# Altium PCB PCB2.PcbDoc
Units mm, origin at the board's own origin, x right, y up, seen from the top; angles counter-clockwise.
Board outline 188.85 x 84.33 mm, 2 copper layers (Top Layer, Bottom Layer); 129 components, 100 nets, 372 pads, 0 vias.
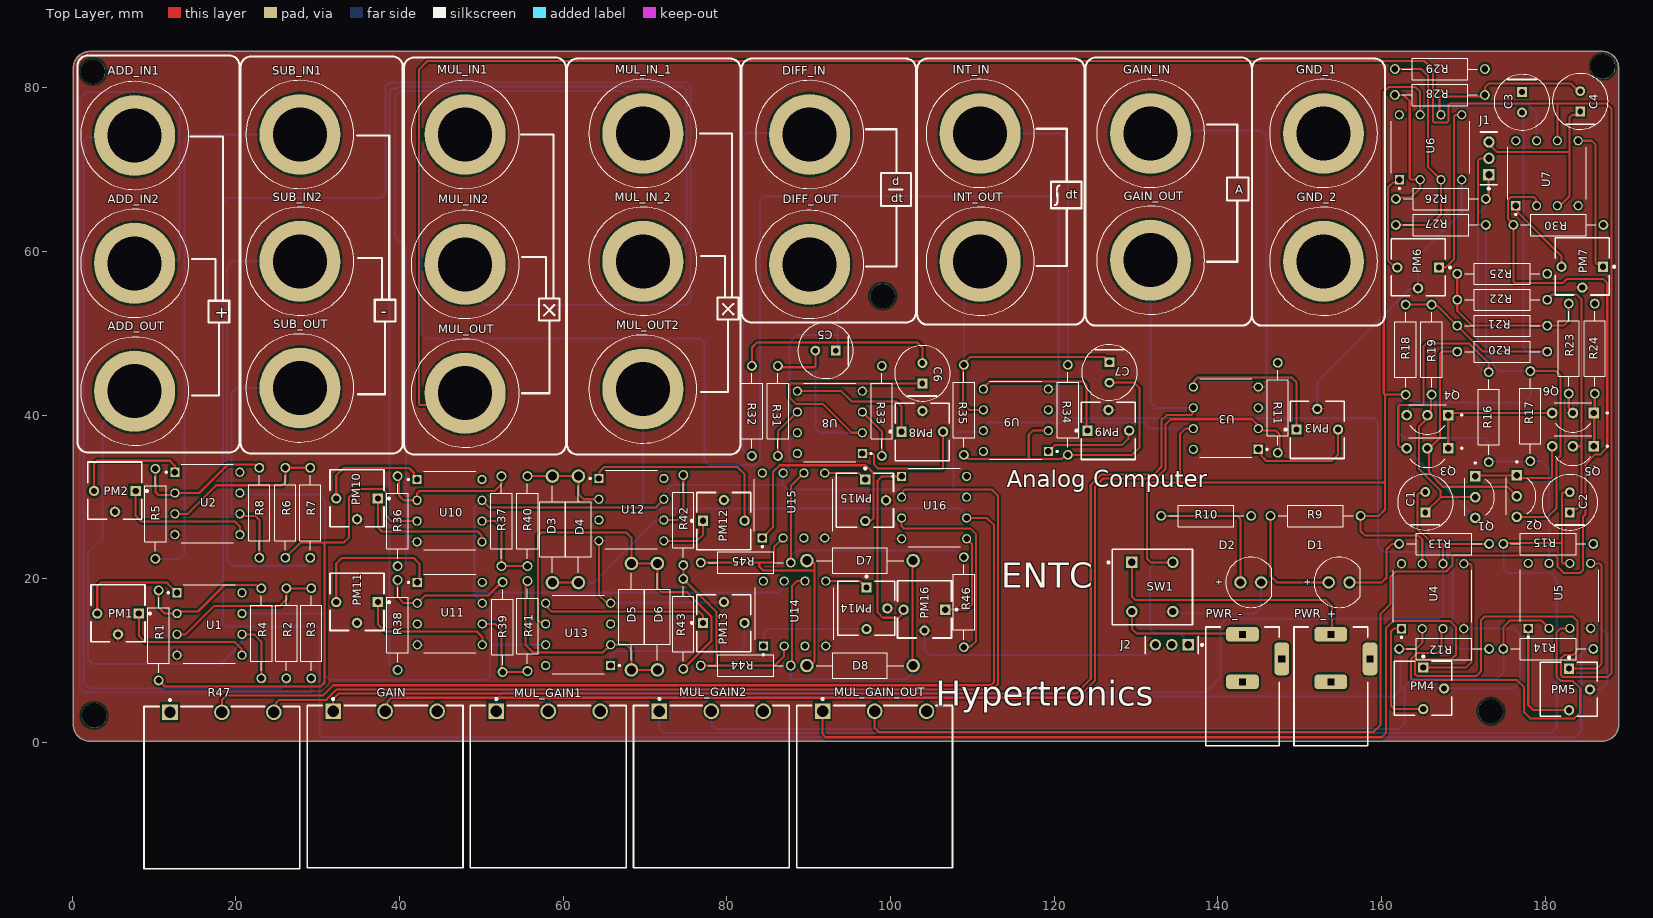
[diagram p0: Top Layer view]
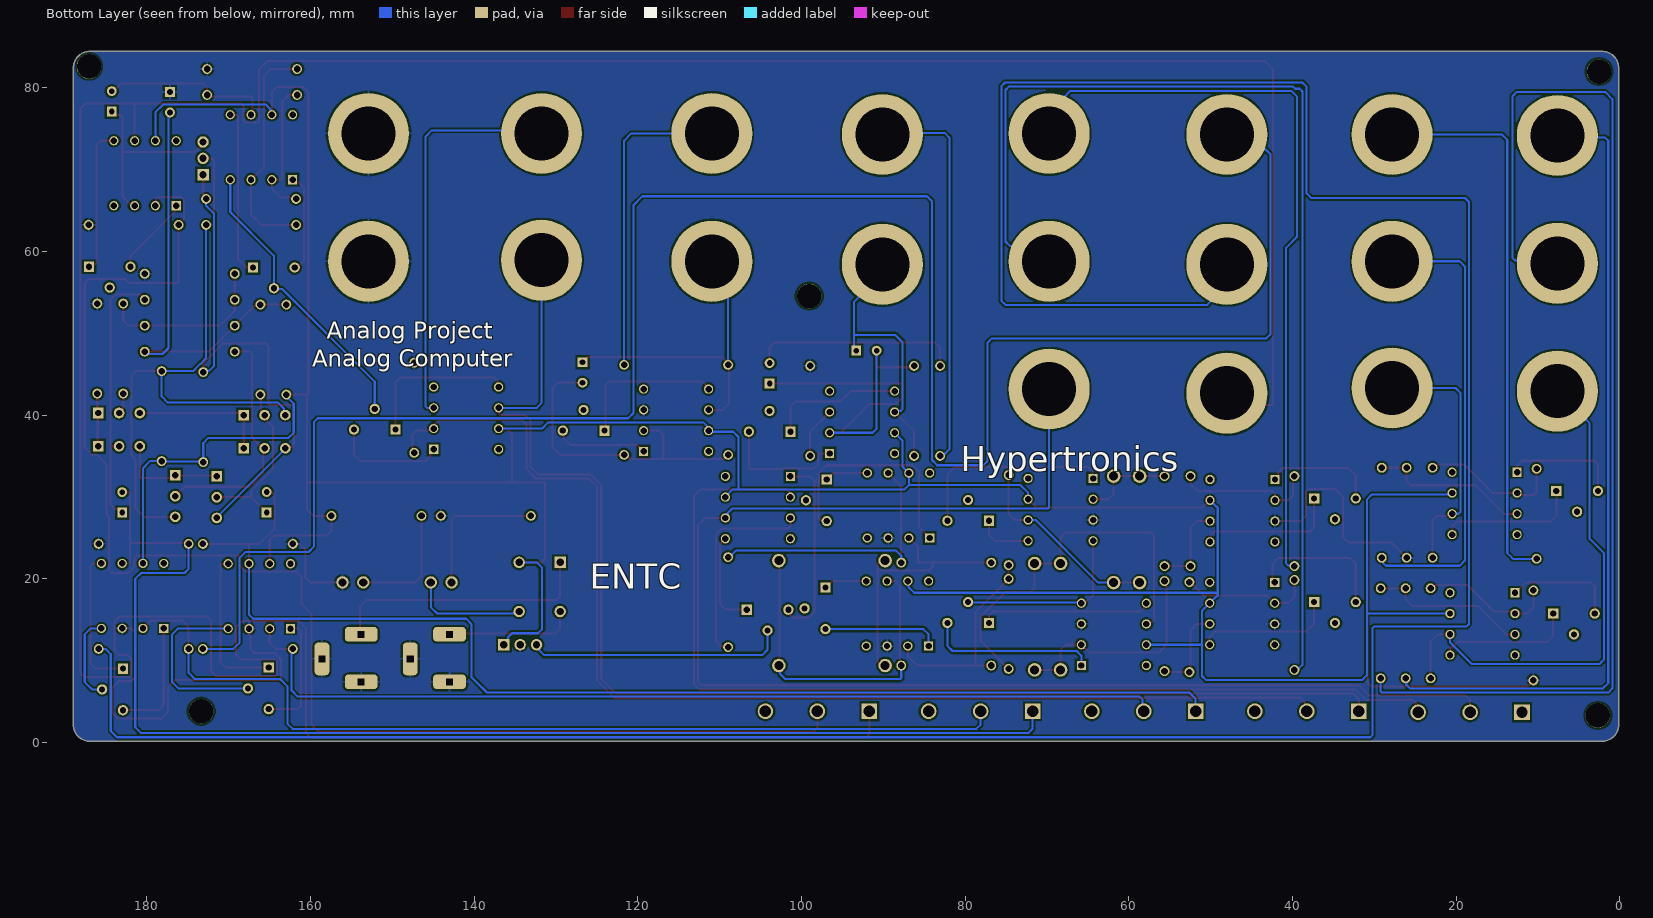
[diagram p1: Bottom Layer view, seen from below]
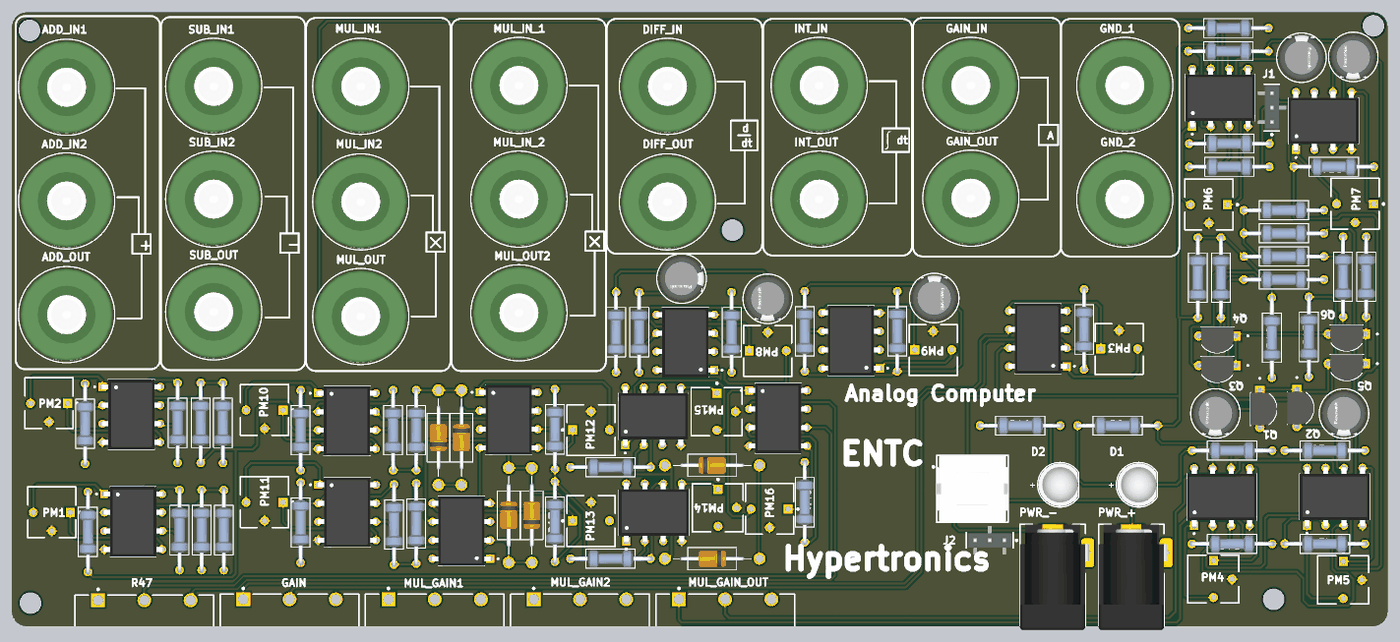
[diagram p2: 3D render of the assembled board from above, using the file's embedded part models]

## Layer stack, top to bottom
Top Solder: solder mask 0.0102, Solder Resist, Dk 3.5
Top Layer: signal copper 0.0356
Dielectric 1: dielectric 0.32, FR-4, Dk 4.8
Bottom Layer: signal copper 0.0356
Bottom Solder: solder mask 0.0102, Solder Resist, Dk 3.5

## Board outline
0.127,2.159 0.127,82.423 cw(c2.159,82.423) 2.159,84.455 186.944,84.455 cw(c186.944,82.423) 188.976,82.423 188.976,2.159 cw(c186.944,2.159) 186.944,0.127 2.159,0.127 cw(c2.159,2.159)

## Design rules (kind name [scope] priority, off if disabled: settings)
Clearance [All] p1: gap=0.254 ignorepadtopadclearanceinfootprint=FALSE ismatrix=TRUE
HoleSize MaxMinHoleSize_1 [All] p1: absolutevalues=TRUE maxlimit=7 minlimit=0.025 maxpercent=80.000 minpercent=20.000
HoleSize [All] p2: absolutevalues=TRUE maxlimit=2.54 minlimit=0.025 maxpercent=80.000 minpercent=20.000
PolygonConnect [All] p1: connectstyle=Relief reliefconductorwidth=0.254 reliefentries=4 polygonreliefangle="90 Angle" airgapwidth=0.254
RoutingVias [All] p1: holewidth=0.711 width=1.27 viastyle="Through Hole" minholewidth=0.711 minwidth=1.27 maxholewidth=0.711 maxwidth=1.27
SolderMaskExpansion [All] p1: expansion=0.102 istentingtop=FALSE
SupplyNets "Schematic Supply Nets_4" [InNet('GND')] p1: voltage=0.000
SupplyNets "Schematic Supply Nets_3" [InNet('Vin_10')] p2: voltage=0.000
SupplyNets "Schematic Supply Nets_2" [InNet('Vin_11')] p3: voltage=0.000
SupplyNets "Schematic Supply Nets_1" [InNet('-12')] p4: voltage=0.000
SupplyNets "Schematic Supply Nets" [InNet('+12')] p5: voltage=0.000
Width [All] p1: maxlimit=0.254 minlimit=0.254 preferedwidth=0.254
29 further rules are at their usual default settings.

## Classes and differential pairs
component class Substractor: GND_2 PM2 R5 R6 R7 R8 SUB_IN1 SUB_IN2 SUB_OUT U2
component class Power_IN: D1 D2 J2 PWR_+ PWR_- R9 R10 SW1
component class Multiply_2: D3 D4 D5 D6 D7 D8 MUL_IN_1 MUL_IN_2 MUL_OUT2 PM10 PM11 PM12 PM13 PM14 PM15 PM16 R36 R37 R38 R39 R40 R41 R42 R43 R44 R45 R46 R47 U10 U11 U12 U13 U14 U15 U16
component class multiplier: C1 C2 C3 C4 J1 MUL_GAIN1 MUL_GAIN2 MUL_GAIN_OUT MUL_IN1 MUL_IN2 MUL_OUT PM4 PM5 PM6 PM7 Q1 Q2 Q3 Q4 Q5 Q6 R12 R13 R14 R15 R16 R17 R18 R19 R20 R21 R22 R23 R24 R25 R26 R27 R28 R29 R30 U4 U5 U6 U7
component class Integrater: C7 INT_IN INT_OUT PM9 R34 R35 U9
component class Gain: GAIN GAIN_IN GAIN_OUT PM3 R11 U3
component class Differentiator: C5 C6 DIFF_IN DIFF_OUT PM8 R31 R32 R33 U8
component class Adder: ADD_IN1 ADD_IN2 ADD_OUT GND_1 PM1 R1 R2 R3 R4 U1

## Components (designator, comment, footprint, x,y, rotation, side; value= is the part's Value field where it differs from the comment)
ADD_IN1 "1581-5" FP-1581-5-MFG 7.62,74.168 r0 top
ADD_IN2 "1581-5" FP-1581-5-MFG 7.62,58.547 r0 top
ADD_OUT "1581-5" FP-1581-5-MFG 7.62,42.926 r0 top
C1 "1uF" FP-ECA-2CHG010I-MFG 165.354,29.357 r90 top
C2 "1uF" FP-ECA-2CHG010I-MFG 183.007,29.337 r90 top
C3 "1uF" FP-ECA-2CHG010I-MFG 177.165,78.232 r270 top
C4 "1uF" FP-ECA-2CHG010I-MFG 184.277,78.339 r90 top
C5 "1uF" FP-ECA-2CHG010I-MFG 92.055,47.879 r180 top
C6 "1uF" FP-ECA-2CHG010I-MFG 103.886,45.105 r90 top
C7 "1uF" FP-ECA-2CHG010I-MFG 126.746,45.212 r270 top
D1 "151051BS04000" WL-TMRC_D5.9H8.7 154.813,19.558 r0 top
D2 "151051BS04000" WL-TMRC_D5.9H8.7 144.018,19.558 r0 top
D3 "IN4148" PCBComponent_1 61.087,26.797 r90 top
D4 "IN4148" PCBComponent_1 59.436,25.273 r270 top
D5 "IN4148" PCBComponent_1 65.913,14.605 r270 top
D6 "IN4148" PCBComponent_1 73.914,16.129 r90 top
D7 "IN4148" PCBComponent_1 97.028,19.812 r0 top
D8 "IN4148" PCBComponent_1 95.504,11.811 r180 top
DIFF_IN "1581-5" FP-1581-5-MFG 90.116,74.295 r0 top
DIFF_OUT "1581-5" FP-1581-5-MFG 90.116,58.42 r0 top
GAIN "100K" BOUR-3852A-282-103AL-3_V 38.227,3.81 r0 top
GAIN_IN "1581-5" FP-1581-5-MFG 131.772,74.422 r0 top
GAIN_OUT "1581-5" FP-1581-5-MFG 131.772,58.928 r0 top
GND_1 "GND" FP-1581-5-MFG 152.908,74.422 r0 top
GND_2 "GND" FP-1581-5-MFG 152.908,58.801 r0 top
INT_IN "1581-5" FP-1581-5-MFG 110.944,74.422 r0 top
INT_OUT "1581-5" FP-1581-5-MFG 110.944,58.801 r0 top
J1 "TMM-103-03-T-S" FP-TMM-103-03-T-S-MFG 173.101,71.374 r90 top
J2 "TMM-103-03-T-S" FP-TMM-103-03-T-S-MFG 134.366,11.918 r180 top
MUL_GAIN1 "10K" BOUR-3852A-282-103AL-3_V 58.166,3.81 r0 top
MUL_GAIN2 "10K" BOUR-3852A-282-103AL-3_V 78.105,3.81 r0 top
MUL_GAIN_OUT "100K" BOUR-3852A-282-103AL-3_V 98.044,3.81 r0 top
MUL_IN1 "1581-5" FP-1581-5-MFG 48.006,74.295 r0 top
MUL_IN2 "1581-5" FP-1581-5-MFG 48.006,58.42 r0 top
MUL_IN_1 "1581-5" FP-1581-5-MFG 69.723,74.422 r0 top
MUL_IN_2 "1581-5" FP-1581-5-MFG 69.723,58.801 r0 top
MUL_OUT "1581-5" FP-1581-5-MFG 48.006,42.672 r0 top
MUL_OUT2 "1581-5" FP-1581-5-MFG 69.723,43.18 r0 top
PM1 "10k" BOUR-3362P 5.588,15.783 r180 top
PM2 "10k" BOUR-3362P 5.207,30.769 r180 top
PM3 "10k" BOUR-3362P 152.146,38.192 r0 top
PM4 "10k" BOUR-3362P 165.065,6.604 r270 top
PM5 "10k" BOUR-3362P 182.88,6.477 r270 top
PM6 "10k" BOUR-3362P 164.465,58.074 r180 top
PM7 "10k" BOUR-3362P 184.531,58.166 r180 top
PM8 "10k" BOUR-3362P 103.886,37.938 r0 top
PM9 "10k" BOUR-3362P 126.619,38.065 r0 top
PM10 "10k" BOUR-3362P 34.798,29.845 r180 top
PM11 "10k" BOUR-3362P 34.798,17.18 r180 top
PM12 "10k" BOUR-3362P 79.629,27.051 r0 top
PM13 "10k" BOUR-3362P 79.629,14.57 r0 top
PM14 "10k" BOUR-3362P 97.028,16.383 r270 top
PM15 "10k" BOUR-3362P 96.866,29.591 r270 top
PM16 "10k" BOUR-3362P 104.14,16.256 r180 top
PWR_+ "Component_2" 694106301002 153.797,6.858 r0 top
PWR_- "Component_2" 694106301002 143.002,6.858 r0 top
Q1 "2N3904" TO92254P460H750-3 171.45,29.972 r270 top
Q2 "2N3904" TO92254P460H750-3 176.53,30.099 r270 top
Q3 "2N3904" TO92254P460H750-3 165.608,35.941 r180 top
Q4 "2N3904" TO92254P460H750-3 165.608,40.005 r180 top
Q5 "2N3904" TO92254P460H750-3 183.388,36.195 r180 top
Q6 "2N3904" TO92254P460H750-3 183.388,40.259 r180 top
R1 "1K" RESAD1100W55L680D260 10.541,13.081 r90 top
R2 "1K" RESAD1100W55L680D260 26.162,13.335 r90 top
R3 "1K" RESAD1100W55L680D260 29.21,13.335 r90 top
R4 "1K" RESAD1100W55L680D260 23.114,13.335 r270 top
R5 "1K" RESAD1100W55L680D260 10.16,27.94 r90 top
R6 "1K" RESAD1100W55L680D260 26.035,28.067 r90 top
R7 "1K" RESAD1100W55L680D260 29.083,28.067 r90 top
R8 "1K" RESAD1100W55L680D260 22.86,28.067 r270 top
R9 "1K" RESAD1100W55L680D260 151.931,27.686 r180 top
R10 "1K" RESAD1100W55L680D260 138.557,27.686 r180 top
R11 "1K" RESAD1100W55L680D260 147.32,40.894 r270 top
R12 "10K" RESAD1100W55L680D260 167.64,11.43 r180 top
R13 "1K" RESAD1100W55L680D260 167.64,24.257 r0 top
R14 "10K" RESAD1100W55L680D260 180.379,11.43 r180 top
R15 "1K" RESAD1100W55L680D260 180.379,24.257 r180 top
R16 "270Ω" RESAD1100W55L680D260 173.101,39.751 r270 top
R17 "270Ω" RESAD1100W55L680D260 178.181,39.878 r270 top
R18 "4.7K" RESAD1100W55L680D260 162.941,48.006 r270 top
R19 "2.2K" RESAD1100W55L680D260 166.116,48.006 r90 top
R20 "2.2K" RESAD1100W55L680D260 174.752,47.752 r0 top
R21 "3.3K" RESAD1100W55L680D260 174.752,50.927 r180 top
R22 "2.2K" RESAD1100W55L680D260 174.752,54.102 r180 top
R23 "2.2K" RESAD1100W55L680D260 182.88,48.133 r90 top
R24 "270Ω" RESAD1100W55L680D260 186.055,48.133 r270 top
R25 "2.2K" RESAD1100W55L680D260 174.752,57.277 r180 top
R26 "1K" RESAD1100W55L680D260 167.259,66.421 r180 top
R27 "1K" RESAD1100W55L680D260 167.259,63.246 r180 top
R28 "1K" RESAD1100W55L680D260 167.132,79.121 r0 top
R29 "1K" RESAD1100W55L680D260 167.132,82.296 r180 top
R30 "1K" RESAD1100W55L680D260 181.61,63.246 r180 top
R31 "1K" RESAD1100W55L680D260 86.233,40.513 r270 top
R32 "1K" RESAD1100W55L680D260 83.058,40.513 r90 top
R33 "1K" RESAD1100W55L680D260 98.933,40.513 r270 top
R34 "1K" RESAD1100W55L680D260 121.666,40.64 r270 top
R35 "1K" RESAD1100W55L680D260 108.966,40.64 r90 top
R36 "100K" RESAD1100W55L680D260 39.751,27.051 r90 top
R37 "1K" RESAD1100W55L680D260 52.451,27.051 r270 top
R38 "100K" RESAD1100W55L680D260 39.751,14.351 r90 top
R39 "1K" RESAD1100W55L680D260 52.578,14.097 r270 top
R40 "10K" RESAD1100W55L680D260 55.626,27.051 r90 top
R41 "10K" RESAD1100W55L680D260 55.626,14.224 r90 top
R42 "1K" RESAD1100W55L680D260 74.676,27.178 r270 top
R43 "1K" RESAD1100W55L680D260 74.676,14.478 r90 top
R44 "1K" RESAD1100W55L680D260 82.296,9.398 r0 top
R45 "1K" RESAD1100W55L680D260 82.296,21.971 r0 top
R46 "1K" RESAD1100W55L680D260 108.966,17.145 r90 top
R47 "2.55K" BOUR-3852A-282-103AL-3_V 18.288,3.683 r0 top
SUB_IN1 "1581-5" FP-1581-5-MFG 27.813,74.295 r0 top
SUB_IN2 "1581-5" FP-1581-5-MFG 27.813,58.801 r0 top
SUB_OUT "1581-5" FP-1581-5-MFG 27.813,43.307 r0 top
SW1 "PVA1EEH11.2NV2" FP-PVA1EEH11_2NV2-MFG 131.993,19.002 r0 top
U1 "LM741CN/NOPB" DIP794W45P254L959H508Q8 16.764,14.478 r0 top
U2 "LM741CN/NOPB" DIP794W45P254L959H508Q8 16.51,29.21 r0 top
U3 "LM741CN/NOPB" DIP794W45P254L959H508Q8 140.97,39.624 r180 top
U4 "LM741CN/NOPB" DIP794W45P254L959H508Q8 166.243,17.874 r90 top
U5 "LM741CN/NOPB" DIP794W45P254L959H508Q8 181.737,17.907 r90 top
U6 "LM741CN/NOPB" DIP794W45P254L959H508Q8 165.989,72.738 r90 top
U7 "LM741CN/NOPB" DIP794W45P254L959H508Q8 180.213,69.558 r90 top
U8 "LM741CN/NOPB" DIP794W45P254L959H508Q8 92.583,39.116 r180 top
U9 "LM741CN/NOPB" DIP794W45P254L959H508Q8 115.316,39.37 r180 top
U10 "LM741CN/NOPB" DIP794W45P254L959H508Q8 46.101,28.321 r0 top
U11 "LM741CN/NOPB" DIP794W45P254L959H508Q8 46.134,15.748 r0 top
U12 "LM741CN/NOPB" DIP794W45P254L959H508Q8 68.326,28.448 r0 top
U13 "LM741CN/NOPB" DIP794W45P254L959H508Q8 61.816,13.208 r180 top
U14 "LM741CN/NOPB" DIP794W45P254L959H508Q8 88.265,15.748 r90 top
U15 "LM741CN/NOPB" DIP794W45P254L959H508Q8 88.138,28.956 r90 top
U16 "LM741CN/NOPB" DIP794W45P254L959H508Q8 105.316,28.702 r0 top

## Footprints (in the part's own frame and the unit in brackets; to place one, negate y for a bottom-side part, rotate by r counter-clockwise, add the part's x,y. Pads: shape width x height; smd on the part's side, far side on the other; paste and mask are expansions set on the pad)
694106301002 [mm] "DC Power Jack Right Angled(6.4)"
  rrect50% 4x1.8 hole 0.8 square: 1(0,6.35) 2(0,0.55)
  rrect50% 1.8x4 hole 0.8 square: 3(4.8,3.35)
  silkscreen extent -4.5,-7.25 4.5,7.25, body extent -4.5,-7.25 5,7.25, height 10.75
BOUR-3362P [mm] "THD, 3-Leads, Body 6.6x6.99mm, Pitch 2.54mm"
  rect 1.25x1.25 hole 0.75: 1(-2.54,0.035)
  round 1.25 hole 0.75: 2(0,2.575) 3(2.54,0.035)
  silkscreen extent -4.03,-3.49 3.3,3.5, body extent -3.3,-3.49 3.3,3.49, height 4.95
BOUR-3852A-282-103AL-3_V [mm] "TH, 3-Leads, Body 19.81x19.05mm, Pitch 6.35mm"
  rect 1.9x1.9 hole 1.4: 1(-6.35,0)
  round 1.9 hole 1.4: 2(0,0) 3(6.35,0)
  silkscreen extent -9.53,-19.11 9.53,1.62, body extent -9.52,-19.11 9.52,0.7, height 19.05
DIP794W45P254L959H508Q8 [mm]
  rect 1.13x1.13 / inner round 1.13 / far side rect 1.13x1.13 hole 0.78: 1(-3.97,3.81)
  round 1.13 hole 0.78: 2(-3.97,1.27) 3(-3.97,-1.27) 4(-3.97,-3.81) 5(3.97,-3.81) 6(3.97,-1.27) 7(3.97,1.27) 8(3.97,3.81)
  silkscreen extent -5.13,-4.79 3.17,4.79, body extent -4.15,-4.79 4.15,4.79, height 5.08
FP-1581-5-MFG [mm]
  round 9.9 hole 6.6 paste-2539.97 mask+0: 1(0,0)
  silkscreen extent -6.6,-6.6 6.6,6.6, body extent -6.7,-6.7 6.7,6.7, height 0.25
FP-ECA-2CHG010I-MFG [mm]
  rect 1.2x1.2 hole 0.7 paste-2539.97 mask+0: 1(-1.25,0)
  round 1.2 hole 0.7 paste-2539.97 mask+0: 2(1.25,0)
  silkscreen extent -3.4,-3.4 3.4,3.4, body extent -3.5,-3.5 3.5,3.5, height 0.25
FP-PVA1EEH11_2NV2-MFG [mm]
  rect 1.4x1.4 hole 0.9 paste-2539.97 mask+0: 1(-2.5,3)
  round 1.4 hole 0.9 paste-2539.97 mask+0: 1'(-2.5,-3) 2(2.5,3) 2'(2.5,-3)
  silkscreen extent -5.5,-4.6 4.9,4.6, body extent -5,-4.7 5,4.7, height 0.25
FP-TMM-103-03-T-S-MFG [mm]
  rect 1.39x1.39 hole 0.89 paste-2539.97 mask+0: 1(-2,-0.02)
  round 1.39 hole 0.89 paste-2539.97 mask+0: 2(0,-0.02) 3(2,-0.02)
  silkscreen extent -3.82,-1.05 3.22,1.05, body extent -3.1,-2.07 3.1,2.07, height 0.25
PCBComponent_1 [mm]
  round 1.65 hole 1.1: 1(-7.262,2.413) 2(5.738,2.413)
  silkscreen extent -6.08,0.86 4.56,3.96, body extent -5.16,1.27 3.64,3.56, height 2.29
RESAD1100W55L680D260 [mm]
  round 1.2 hole 0.8: 1(-5.5,0) 2(5.5,0)
  silkscreen extent -4.58,-1.3 4.58,1.3, body extent -5.77,-1.2 5.77,1.2, height 2.4
TO92254P460H750-3 [mm]
  rect 1.298x1.298 / inner round 1.298 / far side rect 1.298x1.298 hole 0.79: 1(-2.54,0)
  round 1.298 hole 0.79: 2(0,0) 3(2.54,0)
  silkscreen extent -4.29,-1.27 2.3,2.33, body extent -2.74,-1.27 2.74,2.33, height 8.09
WL-TMRC_D5.9H8.7 [mm] "THT Mono-color Round Color LED, 2-leads"
  round 1.5 hole 1: 1(-1.27,0) 2(1.27,0)
  silkscreen extent -3.07,-3.07 2.58,3.08, body extent -2.95,-2.95 2.45,2.95, height 9.2

## Part data
ADD_IN1 ADD_IN2 ADD_OUT DIFF_IN DIFF_OUT GAIN_IN GAIN_OUT GND_1 GND_2 INT_IN INT_OUT MUL_IN1 MUL_IN2 MUL_IN_1 MUL_IN_2 MUL_OUT MUL_OUT2 SUB_IN1 SUB_IN2 SUB_OUT: library part CMP-73906-000011-1, "CONN BANANA JACK TURRET GREEN", Color=Green, Current Rating=15A, Package Quantity=1, Voltage Rating=2.5kV, Voltage Rating (AC)=30V, Voltage Rating (DC)=60V, Body Material=PC, Contact Material=Brass, Contact Plating=Tin, Diameter=4.22mm, Gender=Female, Height=0.25inch, Housing Color=Green, Housing Material=Polycarbonate, Insulation="Mating End Insulated", Insulation Material=Polycarbonate, Lead Free="Lead Free", Length=1.22inch, Max Current Rating=15A, Mount=Panel, Number of Contacts=1, Number of Ports=1, Number of Positions=1, Orientation=Straight, Packaging=Bag, REACH SVHC="No SVHC", RoHS Compliant=Yes, Series=1581, Termination=Turret, Weight=0.126lb, Width=4inch
C1 C2 C3 C4 C5 C6 C7: library part CMP-05427-002176-1, "CAP ALUM 1UF 20% 160V RADIAL", Case/Package=Radial, Max Operating Temperature=105°C, Min Operating Temperature=-25°C, Package Quantity=2000, Ripple Current=17mA, Tolerance=20%, Voltage Rating=160V, Capacitance=1uF, Diameter=6.3mm, Height=11.2mm, Height - Seated (Max)=0.48inch, Lead Pitch=2.5mm, Lead/Base Style=Straight, Length=11.2mm, Life (Hours)=2000Hour, Mount="Through Hole", Packaging="Ammo Pack", Radiation Hardening=No, RoHS Compliant=Yes, Series=NHG, Termination=Radial, Voltage Rating (DC)=160V
D1 D2: library part CMP-1488-00009-2, Case/Package=Radial, Color=Blue, Forward Current=100mA, Forward Voltage=3.2V, Max Operating Temperature=85°C, Max Reverse Voltage (DC)=5V, Min Operating Temperature=-40°C, Test Current=20mA, Dominant Wavelength=470nm, Height=8.6mm, Length=5mm, Lens Size=5mm, Lens Style="Circular, Diffused, Round", Luminous Intensity=500mcd, Mount="Through Hole", NexarPartId=29717812, Packaging=Bulk, Peak Wavelength=465nm, REACH SVHC=Unknown, RoHS=Compliant, Viewing Angle=40°, Wavelength=470nm, Width=5mm
D3 D4 D5 D6 D7 D8: library part Component_1
GAIN MUL_GAIN1 MUL_GAIN2 MUL_GAIN_OUT R47: library part CMP-2000-05079-1, "Diameter Panel Control, 10 KOhm, +/- 10%, 2 W, -1 to 125 degC, 3-Pin THD, RoHS, Bulk", Manufacturer=Bourns, Power (Watts)=2W, Resistance (Ohms)=10k, Resistive Material=Cermet, Standard Package=45, Temperature Coefficient=±150ppm/degC, Tolerance=±10%, Actuator Diameter="0.250\"(6.35mm)", Actuator Length="0.875\"(22.23mm)", Actuator Type=Slotted, Associated Product="36-8560-ND / -KNOBINSTRUMW/DIALRND.9\"DIA / 36-8555-ND / -KNOBINSTRUMSKIRTEDRND.7\"DIA / 36-8556-ND / -KNOBINSTRUMSKIRTEDRND.9\"DIA / 36-8565-ND / -KNOBINSTRUMDBLBARRND.7\"DIA / 36-8566-ND / -KNOBINSTRUMDBLBARRND.9\"DIA / 36-8568-ND / -KNOBINSTRUMSGLBARRND.7\"DIA / 36-8569-ND / -KNOBINSTRUMSGLBARRND.9\"DIA / 36-8559-ND / -KNOBINSTRUMW/DIALRND.7\"DIA / 226-1006-ND / -KNOBBLKGLOSS.75\"DIA.250\"SHAFT / 226-1007-ND / -KNOBBLKGLOSS.925\"DIA.250\"SHAFT / 226-1011-ND / -KNOBBLKGLOS", Built in Switch=None, Bushing Thread=3/8-32, Catalog Drawings="3852SeriesSide1 /  / 3852SeriesSide2", Category=Potentiometers,VariableResistors, Datasheet URL=https://datasheet.ciiva.com/11831/0900766b80f93b4b-11831016.pdf, Datasheet Version=Sep-14, Family=RotaryPotentiometers,Rheostats, Manufacturer URL=http://www.bourns.com/, Mounting Type=PanelMount, Number of Gangs=1, Number of Turns=1, Online Catalog=3852and3856Series, Other Names=3852A282103AL, Packaging=Bulk, PCN Design/Specification=PBTResinJun/2011, PCN Other=MultipleChanges01/Dec/2012, RoHS Information=3852A-LMaterialDeclaration, Rotation=280deg, Series=3852, Taper=Linear, Termination Style=SolderLug
J1 J2: library part CMP-02766-001695-1, "CONN HEADER VERT 3POS 2MM", Color=Black, Max Current Rating=3.9A, Max Operating Temperature=105°C, Max Voltage Rating (AC)=500V, Min Operating Temperature=-55°C, Package Quantity=1, Connector Type=Header, Contact Finish - Mating=TIN, Contact Material=Bronze, Contact Mating Length=0.157inch, Contact Plating=Tin, Contact Shape=Square, Contact Type="Male Pin", Depth=1.97mm, Fastening Type=Pull, Gender=Male, Housing Color=Black, Housing Material=Polymer, Insulation Color=Black, Insulation Material=Polymer, Lead Free="Lead Free", Length=6mm, Mount="Through Hole", Number of Contacts=3, Number of Positions=3, Number of Rows=1, Orientation=Straight, Packaging=Bulk, Pitch=2mm, Radiation Hardening=No, REACH SVHC="No SVHC", RoHS Compliant=Yes, Series=TMM, Termination=Solder
PM1 PM2 PM3 PM4 PM5 PM6 PM7 PM8 PM9 PM10 PM11 PM12 PM13 PM14 PM15 PM16: library part CMP-1747-00004-1, "Square Trimpot(R) Trimming Potentiometer, 10 KOhm, 300 V, -55 to 125 degC, 3-Pin THD, RoHS, Tube", Case Code (Imperial)=0612, Case Code (Metric)=1632, Case/Package=1206, Max Operating Temperature=125degC, Min Operating Temperature=-25degC, Package Quantity=5000, Power Rating="1 W", Resistance="50 mohm", Tolerance=1%, Voltage Rating="220 mV", ComponentLink1Description="Manufacturer URL", ComponentLink1URL=http://www.bourns.com/, ComponentLink2Description=Datasheet, ComponentLink2URL=http://www.bourns.com/docs/Product-Datasheets/3362.pdf, DatasheetVersion=May-16, Height="0.6 mm", Length="3.2 mm", Mount="Surface Mount", PackageDescription="3-Pin Through Hole Device, Body 6.6 x 6.99 mm, Pitch 2.54 mm", PackageReference=3326P, Packaging="Tape and Reel", Pins=2, REACH SVHC="No SVHC", RoHSCompliant=True, Width="1.6 mm"
Q1 Q2 Q3 Q4 Q5 Q6: "BJT, TO-92, 40V, 200mA, NPN, 0.625W, 150Â°C", Package="TO-92 Diotec", Check_prices=https://www.snapeda.com/parts/2N3904/Diotec/view-part/?ref=eda, MF="Diotec Semiconductor", MP=2N3904, SnapEDA_Link=https://www.snapeda.com/parts/2N3904/Diotec/view-part/?ref=snap
R1 R2 R3 R4 R5 R6 R7 R8 R9 R10 R11 R12 R13 R14 R15 R16 R17 R18 R19 R20 R21 R22 R23 R24 R25 R26 R27 R28 R29 R30 R31 R32 R33 R34 R35 R36 R37 R38 R39 R40 R41 R42 R43 R44 R45 R46: library part MFR-25FBF52-1K, "1.07 kOhms Â±1% 0.25W, 1/4W Through Hole Resistor Axial - Metal Film", Package="RADIAL-2 YAGEO", Check_prices=https://www.snapeda.com/parts/MFR-25FBF52-1K/Yageo/view-part/?ref=eda, MF=Yageo, MP=MFR-25FBF52-1K, SnapEDA_Link=https://www.snapeda.com/parts/MFR-25FBF52-1K/Yageo/view-part/?ref=snap